# KiCad board Panelized Board.kicad_pcb (continued)
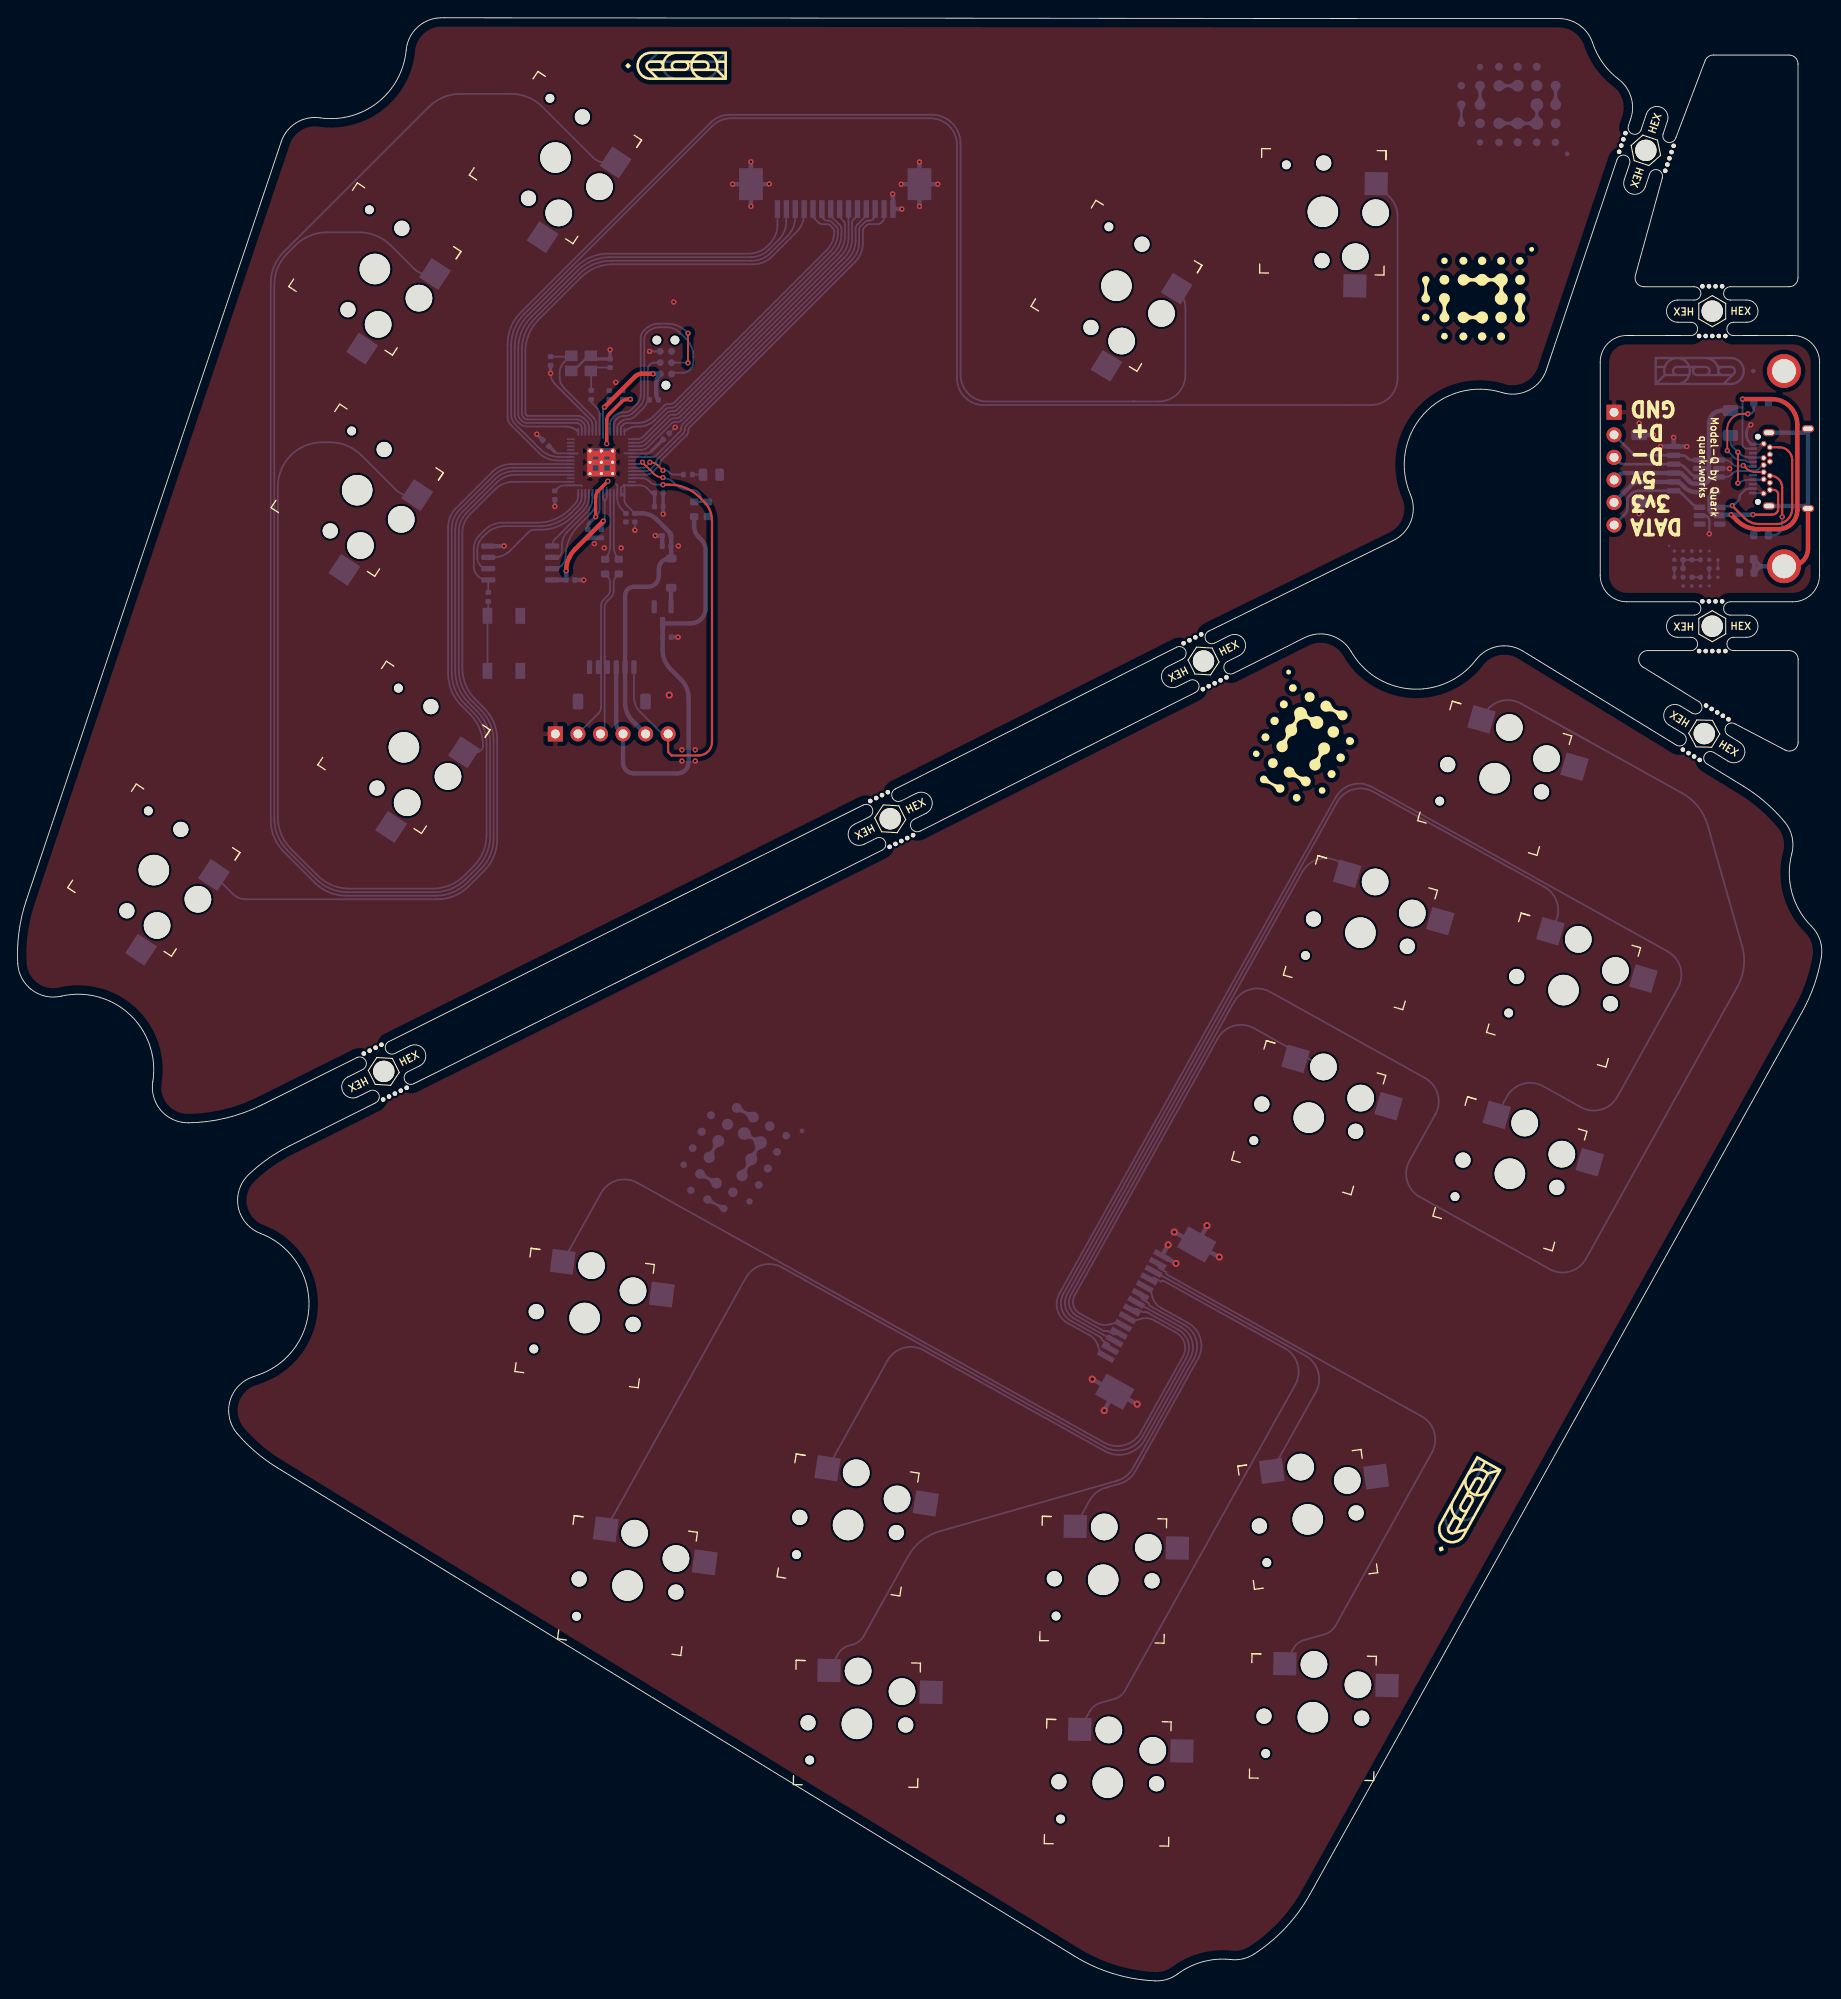
[diagram p0: board, top side]
## Footprints (pads in the part's own frame, mm; a bottom-side part is the same pattern mirrored in y, then rotated) (continued)

## Nets
3vCable: D3.2 J6.A2 J6.B2 U5.5
3vDiode: D3.1 J7.5 J8.2
+1V1: C7.1 C9.1 C11.1 U1.23 U1.45 U1.50
+3V3: C1.1 C2.1 C3.1 C4.1 C5.1 C6.1 C8.1 C10.1 C12.1 C15.1 C17.2 D1.1 J1.1 J3.2 J4.5 R3.1 U1.1 U1.10 U1.22 U1.33 U1.42 U1.43 U1.44 U1.48 U1.49 U2.8
+5V: C16.2 F1.2 J3.3 J4.4 J7.4 J8.3 R6.1 U3.3 U4.5
GND: C1.2 C2.2 C3.2 C4.2 C5.2 C6.2 C7.2 C8.2 C9.2 C10.2 C11.2 C12.2 C13.1 C14.1 C15.2 C16.1 C17.1 C18.2 CH1.2 CH2.2 CH3.2 CH4.2 CH5.2 CH6.2 CH7.2 CH8.2 CH9.2 CH10.2 CH11.2 CH12.2 CH13.2 CH14.2 CH15.2 CH16.2 CH17.2 CH18.2 CH19.2 CH20.2 D2.1 J1.5 J2.14 J2.MP J3.6 J3.MP J4.1 J5.1 J5.MP J6.A1 J6.A12 J6.B1 J6.B12 J7.1 J8.6 R7.2 R9.1 R10.1 R11.2 SW1.1 U1.19 U1.57 U2.4 U3.1 U4.2 U5.2 Y1.2 Y1.4
VBUS_SENSE: R6.2 R7.1 U1.36
/D_+: R1.2 U1.47
/D_-: R2.2 U1.46
/XTAL_O: C14.2 R4.1 Y1.1
/~{USB_BOOT}: R5.1 SW1.2
A: CH17.1 J2.3 J5.12 U1.17
B: CH11.1 J2.12 J5.3 U1.38
C_DN: CH13.1 J2.4 J5.11 U1.18
C_LT: CH12.1 J2.2 J5.13 U1.16
C_RT: CH15.1 J2.5 J5.10 U1.27
C_UP: CH9.1 J2.1 J5.14 U1.15
CS: R5.2 U1.56 U2.1
D+: J3.5 J4.2 J7.2 J8.5 R1.1 U4.6
D-: J3.4 J4.3 J7.3 J8.4 R2.1 U4.4
DATA: J3.1 J4.6 J7.6 J8.1 U1.40 U5.3
DATABUS: J6.A11 J6.B11 U5.4
DBUS+: J6.A6 J6.B6 U4.1
DBUS-: J6.A7 J6.B7 U4.3
DOWN: CH5.1 U1.5
L: CH2.1 U1.7
LEFT: CH3.1 U1.6
LS: CH16.1 J2.9 J5.6 U1.31
M1: CH4.1 U1.8
M2: CH6.1 U1.9
MS: CH19.1 J2.7 J5.8 U1.29
PICO_LED: R8.1 U1.37
QSPI_CLK: U1.52 U2.6
R: CH8.1 J2.13 J5.2 U1.39
RIGHT: CH7.1 U1.4
SD0: U1.53 U2.5
SD1: U1.55 U2.2
SD2: U1.54 U2.3
SD3: U1.51 U2.7
START: CH1.1 U1.2
SWCLK: J1.4 U1.24
SWD: J1.2 U1.25
UP: CH20.1 J2.6 J5.9 U1.28
X: CH14.1 J2.10 J5.5 U1.32
XTAL_IN: C13.2 U1.20 Y1.3
XTAL_OUT: R4.2 U1.21
Y: CH10.1 J2.11 J5.4 U1.34
Z: CH18.1 J2.8 J5.7 U1.30
~{RESET}: J1.3 R3.2 U1.26
Net-(D1-A): D1.2 U3.2
Net-(D2-A): D2.2 R8.2
Net-(F1-Pad1): F1.1 J6.A4 J6.A9 J6.B4 J6.B9
Net-(J6-CC1): J6.A5 R11.1
Net-(J6-CC2): J6.B5 R10.2
Net-(J6-SHIELD): C18.1 H9.1 J6.S1 R9.2

Pads without a net: H10 1; J1 6; J6 A3 A8 A10 B3 B8 B10; J8 MP; U1 3 11 12 13 14 35 41; U5 1 6

## Via types
v1: diameter 0.6, hole 0.3, Top to Bottom, 65 vias
v2: diameter 0.8, hole 0.4, Top to Bottom, 9 vias
v3: diameter 0.6, hole 0.35, Top to Bottom, 2 vias

## Routing (per net, layer and track width the routed paths; a pad name or vN(x,y) marks a point on that pad's centre or on a via; arc(x,y) is an arc through that point)
3vCable: length 47.6
  Top w0.25: 197.3,167.99 197.72,167.99 arc(198.08,167.85) 198.22,167.49 198.22,165.85 arc(198.18,165.62) 198.05,165.42 198.01,165.39 arc(197.82,165.26) 197.59,165.21 v1(195.38,165.21)
  Top w0.5: v1(194.21,178.22) 197.51,178.22 arc(199.54,177.38) 200.38,175.36 200.38,165.72 arc(199.76,164.2) 198.24,163.57 195.98,163.57 arc(194.68,163.83) 193.57,164.57 v1(192.94,165.2)
  Bottom w0.2: v1(194.21,178.22) 194.21,173.11 arc(194.24,172.96) 194.33,172.83 arc(194.53,172.69) 194.77,172.64 195.39,172.64
  Bottom w0.5: 191.08,165.2 v1(192.94,165.2) 195.37,165.2 v1(195.38,165.21) ; D3.2 191.26,167.75 arc(190.73,167.53) 190.51,167 190.51,166.85 190.5,166.85 190.5,165.79 190.51,165.79 arc(190.55,165.6) 190.66,165.43 190.74,165.35 arc(190.9,165.24) 191.09,165.2 191.65,165.2
3vDiode: length 10.8
  Bottom w0.5: J7.5 181.77,168.6 arc(182.09,168.82) 182.47,168.89 J8.2 186.67,168.89 arc(187.05,168.82) 187.38,168.6 187.71,168.26 arc(188.28,167.89) 188.94,167.75 D3.1
+1V1: length 24.2
  Top w0.381: v1(68.98,178.2) 68.68,178.2 arc(68.3,178.13) 67.97,177.91 66.61,176.55 arc(66.39,176.22) 66.32,175.84 v3(66.32,173.21) ; v3(66.44,168.97) 65.37,167.89 arc(65.15,167.57) 65.08,167.19 v1(65.08,164.98)
  Bottom w0.2: C7.1 68.02,165.8 arc(67.64,166.37) 67.51,167.04 U1.45 67.51,168.51 67.36,168.66 ; C11.1 68.12,178.17 arc(68.08,177.94) 67.95,177.75 66.6,176.4 arc(66.39,176.08) 66.31,175.69 U1.23 ; v1(65.08,164.98) 65.22,165.12 arc(65.43,165.45) 65.51,165.83 U1.50
  Bottom w0.381: v1(65.08,164.98) 64.36,164.26 arc(64.23,164.07) 64.19,163.85
  Bottom w0.5: C11.1 68.97,178.22 v1(68.98,178.2)
+3V3: length 86.5
  Top w0.5: v1(71.54,181.08) 70.25,181.08 arc(69.86,181.01) 69.54,180.79 v1(66.06,177.32) ; v1(65.94,164.49) 62.75,161.31 arc(62.01,160.19) v1(61.75,158.88)
  Bottom w0.2: 65.94,168.55 65.91,168.53 U1.49 65.91,167.11 arc(65.94,166.95) 66.03,166.82 66.09,166.76 ; 68.38,168.54 68.31,168.47 U1.43 68.31,166.95 arc(68.39,166.56) 68.6,166.24 C4.1 ; 66.09,166.76 66.19,166.86 arc(66.28,166.99) 66.31,167.14 U1.48 66.31,168.26 ; 66.09,166.76 66.09,166.76 66.09,164.64 v1(65.94,164.49) 65.94,164.08 65.71,163.85 ; 68.28,172.11 U1.33 70.74,172.11 arc(71.07,172.17) 71.35,172.36 ; 63.52,168.43 63.44,168.51 U1.1 61.51,168.51 arc(61.13,168.43) 60.8,168.22 C5.1 ; 68.31,167.27 U1.44 67.91,168.2 68.25,168.54 68.28,168.51 U1.42 70.14,168.51 arc(70.52,168.43) 70.85,168.22 71.41,167.65 ; 63.04,172.09 63.03,172.11 U1.10 60.91,172.11 arc(60.65,172.16) 60.43,172.31 ; 65.91,173.82 U1.22 65.91,177.16 v1(66.06,177.32)
  Bottom w0.381: 71.41,167.65 C12.1 C10.1 ; 60.43,172.31 59.84,172.9 ; 71.35,172.36 C3.1
  Bottom w0.5: D1.1 73.58,162.79 C17.2 73.53,163.07 71.91,164.69 arc(71.18,165.18) 70.32,165.35 C4.1 ; 60.21,157.85 C15.1 v1(61.75,158.88) ; 70.21,140.51 J4.5 69.24,141.97 arc(68.61,142.91) 68.39,144.03 J3.2 68.39,156.09 arc(68.68,156.79) 69.39,157.09 70.99,157.09 arc(71.83,157.44) 72.19,158.29 72.19,159.07 arc(72.54,159.92) 73.39,160.27 ; C6.1 66.6,177.85 v1(66.06,177.32) ; v1(71.54,181.08) 72.33,181.08 ; R3.1 arc(71.96,178.42) 71.89,178.75 71.89,179.96 arc(72.01,180.56) J1.1
+5V: length 75.5
  Bottom w0.2: 67.96,140.7 J4.4
  Bottom w0.5: F1.2 191.86,176.93 arc(190.85,176.51) 190.44,175.51 190.44,169.31 arc(190.26,168.87) 189.83,168.69 188.84,168.69 arc(188.52,168.76) 188.24,168.94 187.29,169.89 J8.3 180.93,169.89 arc(180.55,169.82) 180.23,169.6 J7.4 ; J3.3 67.39,141.7 arc(67.46,141.31) 67.68,140.99 J4.4 68.16,137.26 arc(68.51,136.41) 69.36,136.06 74.27,136.06 arc(75.16,136.43) 75.54,137.33 75.54,144.54 arc(75.31,145.69) 74.66,146.66 73.49,147.83 arc(72.84,148.81) 72.61,149.95 C16.2 U3.3 75.75,152.96 arc(76.96,153.46) 77.46,154.67 77.46,161.16 arc(77.32,161.85) 76.93,162.43 76.69,162.68 arc(76.3,163.26) 76.16,163.95 R6.1 ; U4.5 190.34,170.41
GND: length 104.6
  Top w0.635: U1.57 U1.57 ; U1.57 U1.57 ; 64.74,172.08 66.69,172.08 U1.57 U1.57 U1.57 U1.57 64.74,172.08
  Bottom w0.2: C4.2 v1(69.49,163.47) ; U1.19 64.71,175.27 arc(64.63,175.67) 64.4,176.01 60.5,179.92 arc(60.13,180.47) v1(60,181.13) ; 195.39,167.64 196.55,167.64 196.6,167.59 ; 196.6,173.19 196.55,173.14 195.39,173.14 ; 192.1,170.4 191.61,170.4 ; v1(74.03,175.05) C3.2
  Bottom w0.25: U4.2 192.75,170.41 v1(192.75,170.4) ; v1(190.48,163.05) 190.48,163.06 190.48,164.49 arc(190.43,164.73) 190.29,164.94 190.22,165.01 arc(190.01,165.16) 189.76,165.2 189.38,165.2 ; J1.5 v1(71.14,183.6)
  Bottom w0.254: 64.28,183.1 62.58,181.4
  Bottom w0.3: 195.39,173.14 195.23,173.14 194.95,173.42 arc(194.73,173.75) 194.66,174.13 194.66,174.44 arc(194.73,174.82) 194.95,175.15 v1(195.15,175.34)
  Bottom w0.381: 64.88,182.75 C14.1 v1(66.7,183.79) ; v1(60,181.13) C13.1 ; C5.2 v1(60.48,166.14) ; C8.2 v1(58.44,174.27) ; C10.2 C12.2 ; v1(72.67,165.28) 72.67,166.12
  Bottom w0.5: v1(184.18,166.56) 184.15,166.59 182.58,166.59 182.58,165.32 v1(182.57,165.3) ; C15.2 63.72,157.85 ; v1(82.56,199.94) 82.56,199.94 J2.MP ; v1(82.56,204.96) 82.56,204.96 J2.MP ; J8.6 187.93,172.89 v1(187.94,172.88) ; J8.6 186.46,173.89 v1(186.45,173.9) ; J8.6 185,172.89 v1(184.98,172.87) ; v2(133.91,85.12) 133.92,85.09 J5.MP ; J2.MP 84.59,202.44 v1(84.61,202.46) ; J2.MP v1(80.49,202.44) ; C1.2 C17.1 71.79,162.84 v1(71.78,162.85) ; J2.MP v1(101.54,199.94) ; J2.MP v1(103.59,202.44) ; J2.MP v1(99.49,202.44) ; J2.MP v1(101.54,204.94) ; v1(184.19,174.18) 184.18,174.19 182.58,174.19 182.58,175.49 v1(182.57,175.5) ; J5.MP v2(130.23,84.39) ; J5.MP 135.28,81.58 v2(135.3,81.58) ; v1(99.56,199.64) J2.14 98.55,201.3 v1(98.51,201.34) ; J5.MP 126.04,65 v2(126.05,65.01) ; J5.MP 120.99,67.81 v2(120.99,67.82) ; J5.MP v2(122.34,64.28) ; v2(130.42,80.86) J5.1 129.53,82.95 v2(129.54,82.96) ; 53.02,161.66 54.74,161.66 ; C9.2 C2.2 ; v1(74.36,151.4) 74.35,151.41 C16.1
  vias: v1(54.76,161.68) v1(63.73,157.84) v1(64.92,161.95) v1(66.03,161.46) v1(67.33,180.11) v1(67.94,161.46) v1(73.86,189.16) v1(74.39,161.69) v1(74.79,138.71) v1(74.79,137.46) v1(76.29,138.71) v1(76.29,137.46) v2(73.36,144.88)
VBUS_SENSE: length 11.3
  Top w0.2: v1(70.36,171.11) 70.36,171.08 71.61,169.83 arc(72.09,169.5) 72.66,169.39
  Bottom w0.2: 76.92,166.64 76.92,167 arc(76.63,167.71) 75.92,168 75.46,168 arc(74.77,168.14) 74.18,168.53 73.93,168.78 arc(73.35,169.17) 72.66,169.31 ; 76.92,166.64 R7.1 ; 76.92,166.64 R6.2 ; U1.36 69.87,170.91 arc(70.13,170.96) v1(70.36,171.11)
  vias: v1(72.65,169.39)
/D_+: length 7.5
  Bottom w0.2: U1.47 66.71,161.61 arc(66.57,160.92) 66.18,160.34
/D_-: length 7.5
  Bottom w0.2: U1.46 67.11,161.57 arc(67.25,160.88) 67.64,160.29
/XTAL_O: length 3.9
  Bottom w0.2: C14.2 64.91,181.79 ; 64.57,181.36 R4.1
/~{USB_BOOT}: length 7.8
  Bottom w0.2: SW1.2 SW1.2 52.98,153.9 R5.1
A: length 122.3
  Bottom w0.2: U1.17 63.91,175.03 63.91,175.1 63.88,175.24 63.83,175.38 63.75,175.5 63.69,175.55 63.54,175.7 63.49,175.76 63.36,175.84 63.21,175.9 63.06,175.94 62.98,175.94 57.42,175.94 arc(57.19,175.98) 57,176.11 56.94,176.17 arc(56.81,176.37) 56.76,176.6 56.76,183.78 arc(57.14,185.69) 58.23,187.31 63.26,192.35 arc(64.88,193.43) 66.79,193.81 82.65,193.81 arc(83.8,194.04) 84.77,194.69 86.67,196.59 arc(87.32,197.56) 87.55,198.71 J2.3 ; J5.12 118.95,74.66 arc(117.99,75.87) 118.17,77.4 144.65,124.97 arc(146.45,126.39) 148.73,126.13
B: length 76.5
  Bottom w0.2: J2.12 96.55,198.94 arc(96.51,198.75) 96.4,198.58 96.3,198.48 arc(96.13,198.37) 95.94,198.34 95.76,198.34 arc(95.57,198.3) 95.4,198.19 94.89,197.68 arc(94.78,197.51) 94.75,197.32 94.75,195.95 arc(94.52,194.8) 93.87,193.83 83.2,183.16 83.2,183.16 75.28,175.23 arc(75.15,175.04) 75.1,174.81 75.1,174.78 arc(75.05,174.55) 74.92,174.35 72,171.43 arc(71.93,171.32) 71.9,171.19 71.9,171.12 arc(71.87,170.98) 71.8,170.87 71.33,170.4 71.26,170.33 71.09,170.22 70.91,170.15 70.72,170.11 70.62,170.11 U1.38 ; J5.3 145,70.46 arc(146.43,68.66) 146.17,66.38 CH11.1
C_DN: length 253
  Bottom w0.2: U1.18 64.31,175.11 64.31,175.21 64.27,175.38 64.2,175.55 64.1,175.71 64.04,175.77 63.77,176.04 63.7,176.11 63.53,176.22 63.35,176.3 63.16,176.33 63.06,176.34 57.44,176.34 arc(57.35,176.36) 57.27,176.41 57.23,176.44 arc(57.18,176.52) 57.16,176.62 57.16,183.61 arc(57.54,185.52) 58.63,187.15 63.42,191.95 arc(65.05,193.03) 66.96,193.41 82.82,193.41 arc(83.96,193.64) 84.94,194.29 87.67,197.02 arc(88.32,197.99) 88.55,199.14 J2.4 ; CH13.1 165.17,142.78 arc(166.97,144.21) 169.25,143.94 176.9,139.68 ; J5.11 123.57,72.88 arc(123.45,72.87) 123.34,72.91 122.77,73.23 arc(122.66,73.26) 122.54,73.25 122.5,73.24 arc(122.38,73.23) 122.27,73.27 119.27,74.94 arc(118.44,75.99) 118.59,77.33 136.94,110.29 arc(138.74,111.72) 141.02,111.45 158.47,101.74 arc(159.89,99.94) 159.63,97.66 156.72,92.43 arc(156.45,90.15) 157.88,88.35 172.5,80.21 arc(174.78,79.95) 176.58,81.37 193.64,112.04 arc(194.36,114.26) 194.17,116.6 190.29,130.22 arc(189.22,132.3) 187.44,133.82 176.9,139.68 ; 176.9,139.68 171.95,142.44
C_LT: length 159.5
  Bottom w0.2: U1.16 63.51,174.98 arc(63.48,175.15) 63.38,175.3 63.33,175.35 ; J2.2 86.55,198.27 arc(86.32,197.12) 85.67,196.15 84.6,195.09 arc(83.63,194.44) 82.48,194.21 66.63,194.21 arc(64.72,193.83) 63.09,192.75 57.83,187.48 arc(56.74,185.86) 56.36,183.94 56.36,176.56 arc(56.43,176.21) 56.63,175.91 56.74,175.81 arc(57.04,175.61) 57.39,175.54 62.94,175.54 63,175.54 63.13,175.5 63.24,175.44 63.29,175.39 ; CH12.1 173.08,119.18 arc(173.34,121.47) 171.92,123.27 152.65,133.99 arc(150.37,134.26) 148.57,132.83 117.74,77.45 arc(117.54,75.74) 118.61,74.39 121.88,72.57 arc(121.97,72.49) 122.02,72.39 122.04,72.35 arc(122.09,72.25) 122.18,72.17 122.75,71.85 arc(122.84,71.77) 122.89,71.67 J5.13
C_RT: length 92.6
  Bottom w0.2: U1.27 67.91,174.94 67.91,174.98 67.93,175.07 67.98,175.14 68.01,175.18 68.18,175.35 68.24,175.41 68.39,175.49 68.55,175.54 68.64,175.54 69.76,175.54 69.93,175.54 70.27,175.58 70.59,175.67 70.91,175.8 71.2,175.97 71.47,176.18 71.59,176.3 72.78,177.49 arc(72.98,177.62) 73.21,177.66 73.49,177.66 arc(73.72,177.71) 73.91,177.84 91.07,194.99 arc(91.72,195.96) 91.95,197.11 91.95,197.11 arc(91.91,197.3) 91.8,197.47 91.48,197.79 arc(91.31,197.9) 91.12,197.94 90.55,197.94 arc(90.36,197.97) 90.19,198.08 89.69,198.58 arc(89.58,198.75) 89.55,198.94 J2.5 ; 147.03,102.99 139.19,107.35 arc(136.91,107.62) 135.11,106.19 119.01,77.26 arc(118.88,76.12) 119.59,75.22 121.46,74.18 arc(122.2,73.94) 122.98,74 123.82,74.24 J5.10
C_UP: length 206.1
  Bottom w0.2: J2.1 85.55,197.84 arc(85.32,196.69) 84.67,195.72 84.44,195.49 arc(83.47,194.84) 82.32,194.61 66.46,194.61 arc(64.55,194.23) 62.93,193.15 57.43,187.64 arc(56.34,186.02) 55.96,184.11 55.96,184.11 55.96,176.52 arc(56.05,176.06) 56.31,175.67 56.49,175.49 arc(56.88,175.23) 57.34,175.14 61.68,175.14 61.82,175.14 62.08,175.1 62.33,175.03 62.58,174.93 62.81,174.8 63.02,174.64 U1.15 ; CH9.1 167.69,99.66 arc(169.49,101.09) 171.77,100.82 176.02,98.45 arc(178.31,98.19) 180.1,99.62 186.95,111.92 arc(187.22,114.2) 185.79,116 152.49,134.54 arc(150.21,134.8) 148.41,133.37 117.29,77.46 arc(117.07,75.6) 118.23,74.14 120.69,72.77 arc(121.29,72.27) 121.64,71.57 121.88,70.74 J5.14
CS: length 20.8
  Bottom w0.2: R5.2 U2.1 52.88,157.86 arc(51.8,158.31) 51.35,159.38 51.35,161.38 arc(51.51,162.18) 51.96,162.86 52.53,163.43 arc(53.51,164.08) 54.65,164.31 55.21,164.31 ; 55.21,164.31 58.57,164.31 arc(60.49,164.69) 62.11,165.77 62.67,166.34 arc(63,166.82) 63.11,167.39 U1.56
D+: length 31.5
  Bottom w0.2: J3.5 65.69,148.34 65.69,149.22 ; R1.1 66.41,158.26 arc(66.63,157.93) 66.71,157.55 66.71,156.78 arc(66.63,156.39) 66.41,156.07 65.98,155.64 arc(65.76,155.31) 65.69,154.93 65.69,149.22 ; 65.69,149.22 65.69,143.54 arc(65.61,143.15) 65.39,142.83 65.38,142.81 ; 65.39,142.82 65.38,142.81 ; 65.38,142.81 J4.2
  Bottom w0.3: J7.2 181.76,172.19 arc(182.09,171.97) 182.47,171.89 J8.5 187.42,171.89 arc(187.71,171.84) 187.95,171.67 188.05,171.58 arc(188.29,171.41) 188.58,171.36 U4.6
D-: length 31.3
  Bottom w0.2: 66.09,149.23 66.09,148.34 J3.4 ; 66.09,149.23 66.09,140.98 J4.3 ; 66.09,149.23 66.09,154.76 arc(66.16,155.15) 66.38,155.47 66.81,155.9 arc(67.03,156.23) 67.11,156.61 67.11,157.55 arc(67.18,157.93) 67.4,158.26 R2.1 ; J4.3 66.1,140.99 ; J4.3 65.81,140.7
  Bottom w0.3: U4.4 189.18,169.46 arc(188.8,169.53) 188.47,169.75 187.62,170.6 arc(187.3,170.82) 186.91,170.89 J8.4 180.93,170.89 arc(180.55,170.97) 180.22,171.19 J7.3
DATA: length 66.9
  Top w0.25: J4.6 73.24,138.47 73.62,138.09 76.67,138.09 arc(77.73,138.53) 78.17,139.59 78.17,164.54 arc(77.94,165.69) 77.29,166.66 76.79,167.16 arc(75.21,168.22) 73.34,168.59 72.69,168.59
  Bottom w0.2: U1.40 70.36,169.31 arc(70.74,169.23) 71.07,169.02 71.2,168.89 arc(71.52,168.67) 71.9,168.59 72.69,168.59 ; J3.1 69.39,144.64 arc(69.56,143.76) 70.06,143.01 72.56,140.51 J4.6
  Bottom w0.3: 189.38,166.15 189.22,166.15 arc(188.84,166.23) 188.52,166.45 187.36,167.6 arc(187.04,167.82) 186.65,167.89 J8.1 182.45,167.89 arc(182.07,167.82) 181.74,167.6 181.44,167.3 arc(181.31,167.1) 181.26,166.86 181.26,165.97 arc(181.18,165.58) 180.97,165.26 J7.6
  Bottom w0.5: J4.6 73.24,141.09
  vias: v1(72.65,168.58)
DATABUS: length 22.6
  Top w0.25: v1(193.07,166.23) 193.1,166.2 193.1,166.15 194.41,164.85 arc(195.18,164.34) 196.08,164.15 198.06,164.15 arc(199.3,164.67) 199.81,165.9 199.81,171.35 arc(199.38,172.37) 198.36,172.79 197.3,172.79
  Bottom w0.25: 191.08,166.15 192.69,166.15 arc(193.07,166.23) 193.39,166.45 193.74,166.8 arc(193.85,166.96) 193.89,167.15 193.89,167.19 arc(193.93,167.38) 194.04,167.54 194.44,167.94 arc(194.66,168.09) 194.93,168.14 195.39,168.14
DBUS+: length 6
  Top w0.2: 196.6,169.99 195.74,169.99 arc(195.1,170.12) 194.56,170.48 v1(194.3,170.74)
  Bottom w0.2: 192.1,171.35 192.23,171.35 arc(192.62,171.27) 192.94,171.05 193.06,170.94 arc(193.38,170.72) 193.76,170.64 195.39,170.64
DBUS-: length 4.9
  Bottom w0.2: 196.6,170.79 196.49,170.79 196.04,170.34 arc(195.82,170.2) 195.56,170.14 193.79,170.14 arc(193.41,170.07) 193.08,169.85 192.97,169.74 arc(192.65,169.52) 192.26,169.45 192.1,169.45
DOWN: length 166.9
  Bottom w0.2: U1.5 55.89,170.11 arc(54.75,169.88) 53.77,169.23 50.14,165.6 arc(49.49,164.62) 49.26,163.47 49.26,147.6 arc(49.64,145.69) 50.73,144.07 51.72,143.07 arc(52.8,141.45) 53.19,139.53 53.19,128.96 arc(52.8,127.05) 51.72,125.43 50.44,124.15 arc(48.82,123.06) 46.91,122.68 37.15,122.68 arc(35.24,123.06) 33.61,124.15 30.35,127.41 arc(29.27,129.03) 28.89,130.95 28.89,191.1 arc(29.27,193.01) 30.35,194.63 31.26,195.55 arc(32.88,196.63) 34.8,197.01 38.46,197.01 arc(40.38,196.63) 42,195.55 44.66,192.89 arc(45.31,192.46) 46.07,192.3 46.97,192.3
L: length 45.6
  Bottom w0.2: 50.23,138.42 51.6,138.42 arc(52.16,138.65) 52.39,139.2 arc(52,141.12) 50.92,142.74 49.93,143.73 arc(48.84,145.36) 48.46,147.27 48.46,163.81 arc(48.69,164.95) 49.34,165.93 53.44,170.03 arc(54.41,170.68) 55.56,170.91 U1.7
LEFT: length 141.3
  Bottom w0.2: U1.6 55.73,170.51 arc(54.58,170.28) 53.61,169.63 49.74,165.76 arc(49.09,164.79) 48.86,163.64 48.86,147.43 arc(49.24,145.52) 50.33,143.9 51.32,142.9 arc(52.4,141.28) 52.79,139.37 52.79,129.13 arc(52.4,127.22) 51.32,125.59 50.28,124.55 arc(48.65,123.46) 46.74,123.08 37.31,123.08 arc(35.4,123.46) 33.78,124.55 30.75,127.58 arc(29.67,129.2) 29.29,131.11 29.29,168.36 arc(30.75,171.9) 34.29,173.36 35.16,173.36 arc(37.08,172.98) 38.7,171.9 42.62,167.97 arc(43.27,167.54) 44.04,167.39 44.97,167.39
LS: length 106.3
  Bottom w0.2: 78.96,180.61 74.58,176.24 arc(74.39,176.11) 74.16,176.06 73.87,176.06 arc(73.64,176.02) 73.44,175.89 70.76,173.2 arc(70.44,172.98) 70.05,172.91 U1.31 ; J5.6 126.54,76.95 arc(126.59,76.85) 126.68,76.77 127.25,76.45 arc(127.34,76.38) 127.4,76.27 127.41,76.23 arc(127.46,76.13) 127.55,76.05 131.36,73.93 arc(132.69,72.26) 132.44,70.13 125.58,57.8 arc(124.82,56.91) 123.78,56.38 103.84,50.7 arc(101.75,49.63) 100.24,47.84 95.25,38.89 arc(94.75,38.29) 94.05,37.94 93.57,37.8 arc(92.88,37.44) 92.37,36.85 CH16.1 ; 78.96,180.62 92.67,194.33 arc(93.32,195.3) 93.55,196.45 J2.9
M1: length 146.9
  Bottom w0.2: U1.8 60.78,171.31 arc(59.63,171.54) 58.66,172.19 55.51,175.34 arc(55.25,175.73) 55.16,176.19 55.16,184.44 55.16,184.44 arc(55.54,186.35) 56.63,187.98 78.03,209.38 arc(79.01,210.03) 80.15,210.26 102.92,210.26 arc(105.21,209.31) 106.16,207.03 106.16,180.96 arc(107.04,178.84) 109.16,177.96 125.62,177.96 ; 125.62,177.96 125.79,177.96 ; 125.62,177.96 128.48,177.96 arc(130.6,178.84) 131.48,180.96 131.48,188.45 arc(131.25,189.6) 130.6,190.57 CH4.1
M2: length 182.2
  Bottom w0.2: CH6.1 154.49,200.97 arc(155.14,199.99) 155.37,198.84 155.37,180.56 arc(154.49,178.44) 152.37,177.56 108.76,177.56 arc(106.64,178.44) 105.76,180.56 105.76,206.86 arc(104.88,208.98) 102.76,209.86 80.32,209.86 arc(79.17,209.63) 78.2,208.98 57.03,187.81 arc(55.94,186.19) 55.56,184.27 55.56,184.27 55.56,176.49 arc(55.67,175.9) 56.01,175.4 56.68,174.74 58.83,172.59 arc(59.8,171.94) 60.95,171.71 U1.9
MS: length 140.2
  Bottom w0.2: 88.72,78.93 86.06,80.41 arc(83.78,80.67) 81.98,79.25 CH19.1 ; J2.7 91.55,199.06 arc(91.58,198.87) 91.69,198.7 92.6,197.8 arc(92.71,197.64) 92.75,197.44 92.75,196.78 arc(92.52,195.63) 91.87,194.66 77.84,180.63 ; J5.8 125.86,75.74 arc(125.98,75.75) 126.09,75.71 126.66,75.4 arc(126.78,75.36) 126.89,75.37 126.93,75.38 arc(127.05,75.39) 127.16,75.35 130.7,73.38 arc(131.8,72) 131.59,70.25 126.67,61.41 arc(124.78,59.92) 122.39,60.19 88.73,78.93 ; 77.84,180.63 74.55,177.34 74.55,177.34 74.25,177.04 arc(74.05,176.91) 73.83,176.86 73.54,176.86 arc(73.31,176.82) 73.11,176.69 70.43,174 arc(70.1,173.78) 69.72,173.71 U1.29
PICO_LED: length 6.5
  Top w0.2: v1(72.65,170.19) 72.65,170.19 72.06,170.79 arc(71.64,171.02) v1(71.18,171.11)
  Bottom w0.2: U1.37 70.47,170.51 arc(70.65,170.54) 70.81,170.65 71.18,171.02 71.18,171.1 ; R8.1 73.86,169.72 arc(73.63,169.77) 73.43,169.9 73.32,170.02 arc(73.16,170.13) 72.97,170.19 72.66,170.19 v1(72.65,170.19)
QSPI_CLK: length 9.3
  Bottom w0.2: U1.52 64.71,167.1 arc(64.53,166.19) 64.01,165.41 61.94,163.34 arc(61.45,162.61) 61.28,161.75 61.28,161.23 arc(61.19,160.78) 60.94,160.4 U2.6
R: length 112.5
  Bottom w0.2: U1.39 70.68,169.71 arc(71.16,169.8) 71.57,170.08 72.27,170.78 arc(72.34,170.89) 72.37,171.02 72.37,171.09 arc(72.4,171.22) 72.47,171.34 75.32,174.19 arc(75.45,174.38) 75.5,174.61 75.5,174.64 arc(75.55,174.87) 75.68,175.07 85.72,185.12 85.72,185.12 94.28,193.68 arc(94.93,194.65) 95.16,195.8 95.16,197.17 arc(95.2,197.36) 95.31,197.53 95.57,197.79 arc(95.73,197.9) 95.92,197.94 96.84,197.94 arc(97.03,197.97) 97.19,198.08 97.4,198.29 arc(97.51,198.45) 97.55,198.64 J2.13 ; J5.2 128.52,80.33 129.31,79.89 129.39,79.61 158.08,63.64 arc(159.5,61.84) 159.24,59.56 148.38,40.04 arc(147.87,39.45) 147.18,39.09 144.83,38.42 arc(144.14,38.07) 143.63,37.47 CH8.1
RIGHT: length 196.2
  Bottom w0.2: U1.4 56.06,169.71 arc(54.91,169.48) 53.94,168.83 50.54,165.43 arc(49.89,164.46) 49.66,163.31 49.66,147.77 arc(50.04,145.85) 51.13,144.23 52.12,143.23 arc(53.2,141.61) 53.59,139.7 53.59,128.8 arc(53.2,126.88) 52.12,125.26 50.61,123.75 arc(48.99,122.66) 47.07,122.28 36.98,122.28 arc(35.07,122.66) 33.45,123.75 29.95,127.25 arc(28.87,128.87) 28.49,130.78 28.49,191.26 arc(28.87,193.18) 29.95,194.8 46.3,211.15 arc(47.92,212.23) 49.83,212.61 55.54,212.61 arc(57.45,212.23) 59.08,211.15 64.78,205.44 arc(65.43,205.01) 66.19,204.86 67.3,204.86
SD0: length 7.6
  Bottom w0.2: U1.53 64.31,167.19 arc(64.14,166.35) 63.66,165.63 61.23,163.2 60.52,162.49 arc(60.27,162.11) U2.5
SD1: length 17.9
  Bottom w0.2: U1.55 63.51,167.28 arc(63.39,166.66) 63.04,166.13 62.28,165.37 arc(60.65,164.29) 58.74,163.91 54.82,163.91 arc(53.67,163.68) 52.7,163.03 52.35,162.69 arc(51.91,162.02) 51.75,161.23 51.75,160.26 arc(51.83,159.87) 52.04,159.55 52.17,159.42 arc(52.5,159.2) 52.88,159.13 U2.2
SD2: length 14.2
  Bottom w0.2: U2.3 53.62,160.4 arc(54.6,160.59) 55.43,161.15 57.49,163.22 arc(57.82,163.43) 58.2,163.51 58.91,163.51 arc(60.82,163.89) 62.44,164.97 63.36,165.9 arc(63.77,166.5) 63.91,167.22 U1.54
SD3: length 10.6
  Bottom w0.2: U1.51 65.11,166.79 arc(64.96,166.01) 64.51,165.35 63.15,163.98 arc(62.06,162.36) 61.68,160.45 arc(61.59,159.97) 61.32,159.57 61.23,159.48 arc(60.84,159.22) 60.38,159.13 U2.7
START: length 87.3
  Bottom w0.2: CH1.1 24.24,122.47 arc(24.89,122.04) 25.65,121.88 47.24,121.88 arc(49.15,122.26) 50.77,123.35 52.52,125.1 arc(53.6,126.72) 53.99,128.63 53.99,139.86 arc(53.6,141.78) 52.52,143.4 51.53,144.4 arc(50.44,146.02) 50.06,147.93 50.06,163.14 arc(50.29,164.29) 50.94,165.26 53.7,168.03 arc(54.68,168.68) 55.83,168.91 U1.2
SWCLK: length 24.1
  Top w0.2: v1(75.47,182.3) 75.47,185.63 v1(75.48,185.64)
  Bottom w0.2: J1.4 75.44,182.33 v1(75.47,182.3) ; U1.24 66.71,175.43 arc(66.79,175.82) 67,176.14 67.17,176.31 arc(67.65,176.62) 68.21,176.74 68.34,176.74 arc(68.75,176.82) 69.11,177.05 69.68,177.63 arc(70.02,178.14) 70.14,178.75 70.14,185.12 arc(70.23,185.55) 70.47,185.91 70.64,186.07 arc(71.36,186.55) 72.2,186.72 73.15,186.72 arc(74.29,186.5) 75.27,185.85 v1(75.48,185.64)
SWD: length 24.2
  Bottom w0.2: U1.25 67.11,175.27 arc(67.19,175.65) 67.4,175.98 67.43,176 arc(67.8,176.25) 68.24,176.34 68.36,176.34 arc(68.91,176.45) 69.37,176.76 70.04,177.43 arc(70.41,177.98) 70.54,178.64 70.54,185 arc(70.62,185.39) 70.84,185.71 70.85,185.72 arc(71.52,186.17) 72.3,186.32 73.05,186.32 arc(73.87,186.16) 74.57,185.69 75.26,185.01 arc(75.86,184.11) 76.07,183.04 76.07,182.27 arc(76.01,181.95) 75.82,181.68 75.63,181.49 arc(75.31,181.27) 74.93,181.19 73.59,181.19
UP: length 134.9
  Bottom w0.2: J2.6 90.55,198.94 arc(90.58,198.75) 90.69,198.58 90.79,198.48 arc(90.96,198.37) 91.15,198.34 91.29,198.34 arc(91.48,198.3) 91.64,198.19 92.2,197.63 arc(92.31,197.47) 92.35,197.28 92.35,196.94 arc(92.12,195.8) 91.47,194.82 74.08,177.44 arc(73.89,177.31) 73.66,177.26 73.37,177.26 arc(73.14,177.22) 72.95,177.09 71.72,175.86 71.6,175.75 71.35,175.55 71.07,175.39 70.77,175.27 70.46,175.18 70.14,175.14 69.98,175.14 69.73,175.14 69.6,175.14 69.34,175.1 69.09,175.03 68.85,174.93 68.62,174.8 68.41,174.64 68.32,174.55 U1.28 ; CH20.1 65.67,88.78 arc(67.47,90.21) 69.75,89.94 72.57,88.38 ; 72.57,88.38 122.36,60.66 arc(124.64,60.4) 126.44,61.82 131.2,70.36 arc(131.37,71.88) 130.42,73.08 127.97,74.45 arc(127.23,74.68) 126.45,74.62 125.61,74.38 J5.9 ; 72.57,88.38 72.41,88.46
X: length 74.2
  Bottom w0.2: CH14.1 120.7,54.17 arc(121.46,55.06) 122.5,55.6 124.05,56.04 arc(125.09,56.57) 125.85,57.46 132.91,70.16 arc(133.17,72.39) 131.77,74.16 128.73,75.85 arc(128.14,76.36) 127.78,77.05 127.54,77.89 J5.5 ; U1.32 70.22,172.51 arc(70.6,172.58) 70.93,172.8 73.61,175.49 arc(73.81,175.62) 74.03,175.66 74.32,175.66 arc(74.55,175.71) 74.75,175.84 82.4,183.49 82.4,183.49 93.07,194.16 arc(93.72,195.13) 93.95,196.28 93.95,198.09 arc(93.98,198.28) 94.09,198.44 94.4,198.75 arc(94.51,198.91) 94.55,199.1 J2.10
XTAL_IN: length 12.8
  Bottom w0.2: C13.2 62.22,183 ; U1.20 65.11,175.45 arc(65.03,175.84) 64.82,176.16 61.51,179.47 arc(61.14,180.02) 61.01,180.67 61.01,181.14 arc(61.15,181.82) 61.53,182.39 62.24,183.1
XTAL_OUT: length 4
  Bottom w0.2: R4.2 64.57,178 arc(64.59,177.88) 64.66,177.78 65.22,177.22 arc(65.43,176.9) 65.51,176.51 U1.21
Y: length 108.8
  Bottom w0.2: U1.34 71.57,171.71 arc(71.7,171.73) 71.81,171.81 74.52,174.52 arc(74.65,174.72) 74.7,174.94 74.7,174.98 arc(74.75,175.21) 74.88,175.4 82.8,183.32 82.8,183.33 93.47,194 arc(94.12,194.97) 94.35,196.12 94.35,197.49 arc(94.38,197.68) 94.49,197.84 95.4,198.75 arc(95.51,198.91) 95.55,199.1 J2.11 ; J5.4 127.93,79.27 128.72,78.83 129,78.91 142.7,71.29 arc(144.12,69.49) 143.86,67.21 124.68,32.76 arc(124.18,32.16) 123.48,31.81 121.91,31.36 arc(121.22,31) 120.71,30.41 CH10.1
Z: length 104.9
  Bottom w0.2: 78.25,180.48 92.27,194.49 arc(92.92,195.47) 93.15,196.61 93.15,197.92 arc(93.11,198.12) 93,198.28 92.69,198.58 arc(92.58,198.75) 92.55,198.94 J2.8 ; J5.7 131.01,73.67 arc(132.23,72.13) 132.01,70.17 126.89,60.98 arc(124.92,59.42) 122.43,59.71 102.01,71.08 arc(99.73,71.34) 97.93,69.91 CH18.1 ; 78.25,180.47 74.42,176.64 arc(74.22,176.51) 73.99,176.46 73.7,176.46 arc(73.47,176.42) 73.28,176.29 70.6,173.6 arc(70.27,173.38) 69.89,173.31 U1.30
~{RESET}: length 10.7
  Bottom w0.2: J1.3 71.63,182.33 arc(71.4,182.29) 71.21,182.16 71.12,182.07 arc(70.99,181.87) 70.94,181.64 70.94,178.39 arc(70.82,177.77) 70.47,177.24 69.59,176.36 arc(69.12,176.05) 68.56,175.94 arc(68.21,175.87) 67.91,175.67 67.71,175.47 arc(67.56,175.25) 67.51,174.99 U1.26
Net-(D1-A): length 2.1
  Bottom w0.5: U3.2 73.56,156.95
Net-(D2-A): length 1.2
  Bottom w0.2: R8.2 77.14,169.72 D2.2
Net-(F1-Pad1): length 12
  Top w0.2: v1(193.69,172.24) 193.69,172.24 v1(193.69,168.75)
  Bottom w0.2: 195.39,169.14 194.83,169.14 arc(194.35,169.06) 193.93,168.81 193.87,168.75 v1(193.69,168.75) ; 195.39,171.64 195.13,171.64 arc(194.42,171.78) 193.79,172.15 193.7,172.24 v1(193.69,172.24) 193.69,172.24 193.09,172.84 arc(192.93,173.14) 192.87,173.48 192.87,174.37
  Bottom w0.25: 196.6,171.59 196.55,171.64 195.39,171.64 ; 196.6,169.19 196.55,169.14 195.39,169.14
Net-(J6-CC1): length 10.8
  Top w0.2: v1(194.81,176.57) 194.22,176.57 arc(193,176.06) 192.5,174.84 v1(192.5,172.43)
  Bottom w0.2: 195.39,171.14 194.87,171.14 arc(194.79,171.16) 194.73,171.2 194.68,171.25 arc(194.64,171.28) 194.59,171.3 194.59,171.3 arc(194.35,171.35) 194.1,171.37 193.95,171.37 arc(193.57,171.44) 193.25,171.66 192.49,172.42
  Bottom w0.25: v1(194.81,176.57) 194.98,176.57 arc(195.34,176.71) 195.48,177.07 R11.1
Net-(J6-CC2): length 8.6
  Top w0.25: v1(198.68,164.97) 198.68,168.27 arc(198.29,169.21) 197.36,169.59 197.3,169.59
  Bottom w0.25: v1(198.68,164.96) 198.68,163.89 arc(198.39,163.19) 197.68,162.89 R10.2
Net-(J6-SHIELD): length 32.7
  Top w0.5: 201.59,165.9 201.59,161.39 arc(201,159.98) 199.59,159.39 H9.1
  Bottom w0.5: 196.26,159.39 C18.1 195.51,160.14 R9.2 196.21,159.39 196.26,159.39 ; 196.26,159.39 H9.1 ; 197.2,166.19 201.3,166.19 201.59,165.9 201.59,174.88 201.15,174.45 197.2,174.45

## Copper pours and planes (outline as drawn; the poured copper is in the pictures)
+1V1 on Bottom: 67.71,169.27 64.11,169.27 64.11,172.67 66.71,172.67 66.71,173.47 65.91,173.47 65.91,173.27 63.51,173.27 63.51,168.87 66.31,168.87 66.31,168.67 66.71,168.67 66.71,168.27 67.71,168.27
+3V3 on Bottom: 72.13,165.01 72.16,168.68 68.48,168.68 68.51,173.87 62.91,173.87 62.91,168.27 65.71,168.27 66.37,168.16 69.24,165
GND on Top, Bottom: -4.91,-2.09 205.81,-2.09 205.81,225.35 -4.91,225.35

## Text on the board
B.Fab: 100nF | RP2040
B.Silkscreen: 19.99 | quark.works | C_UP / C_LT / A / C_DN / C_RT / UP / MS / Z / LS / X / Y / B / R / GND | v0.1 | GRAM x PRISM PCB by Quark / v0.2b / quark.works | GND / D+ / D- / 5v / 3v3 / DATA
F.Silkscreen: Model-Q by Quark / quark.works | DATA / 3v3 / 5v / D- / D+ / GND
